# Altium PCB as_x31.PcbDoc (part 4 of 5)
Units mm, origin at the board's own origin, x right, y up, seen from the top; angles counter-clockwise.
Board outline 130 x 100 mm, 6 copper layers (Top Layer, Ground_1, Power_1, Mid_1, Ground_2, Bottom Layer), stack 0.928 mm thick; 402 components, 373 nets, 2529 pads, 1429 vias.
Unrouted connection lines stored in the file: 648.
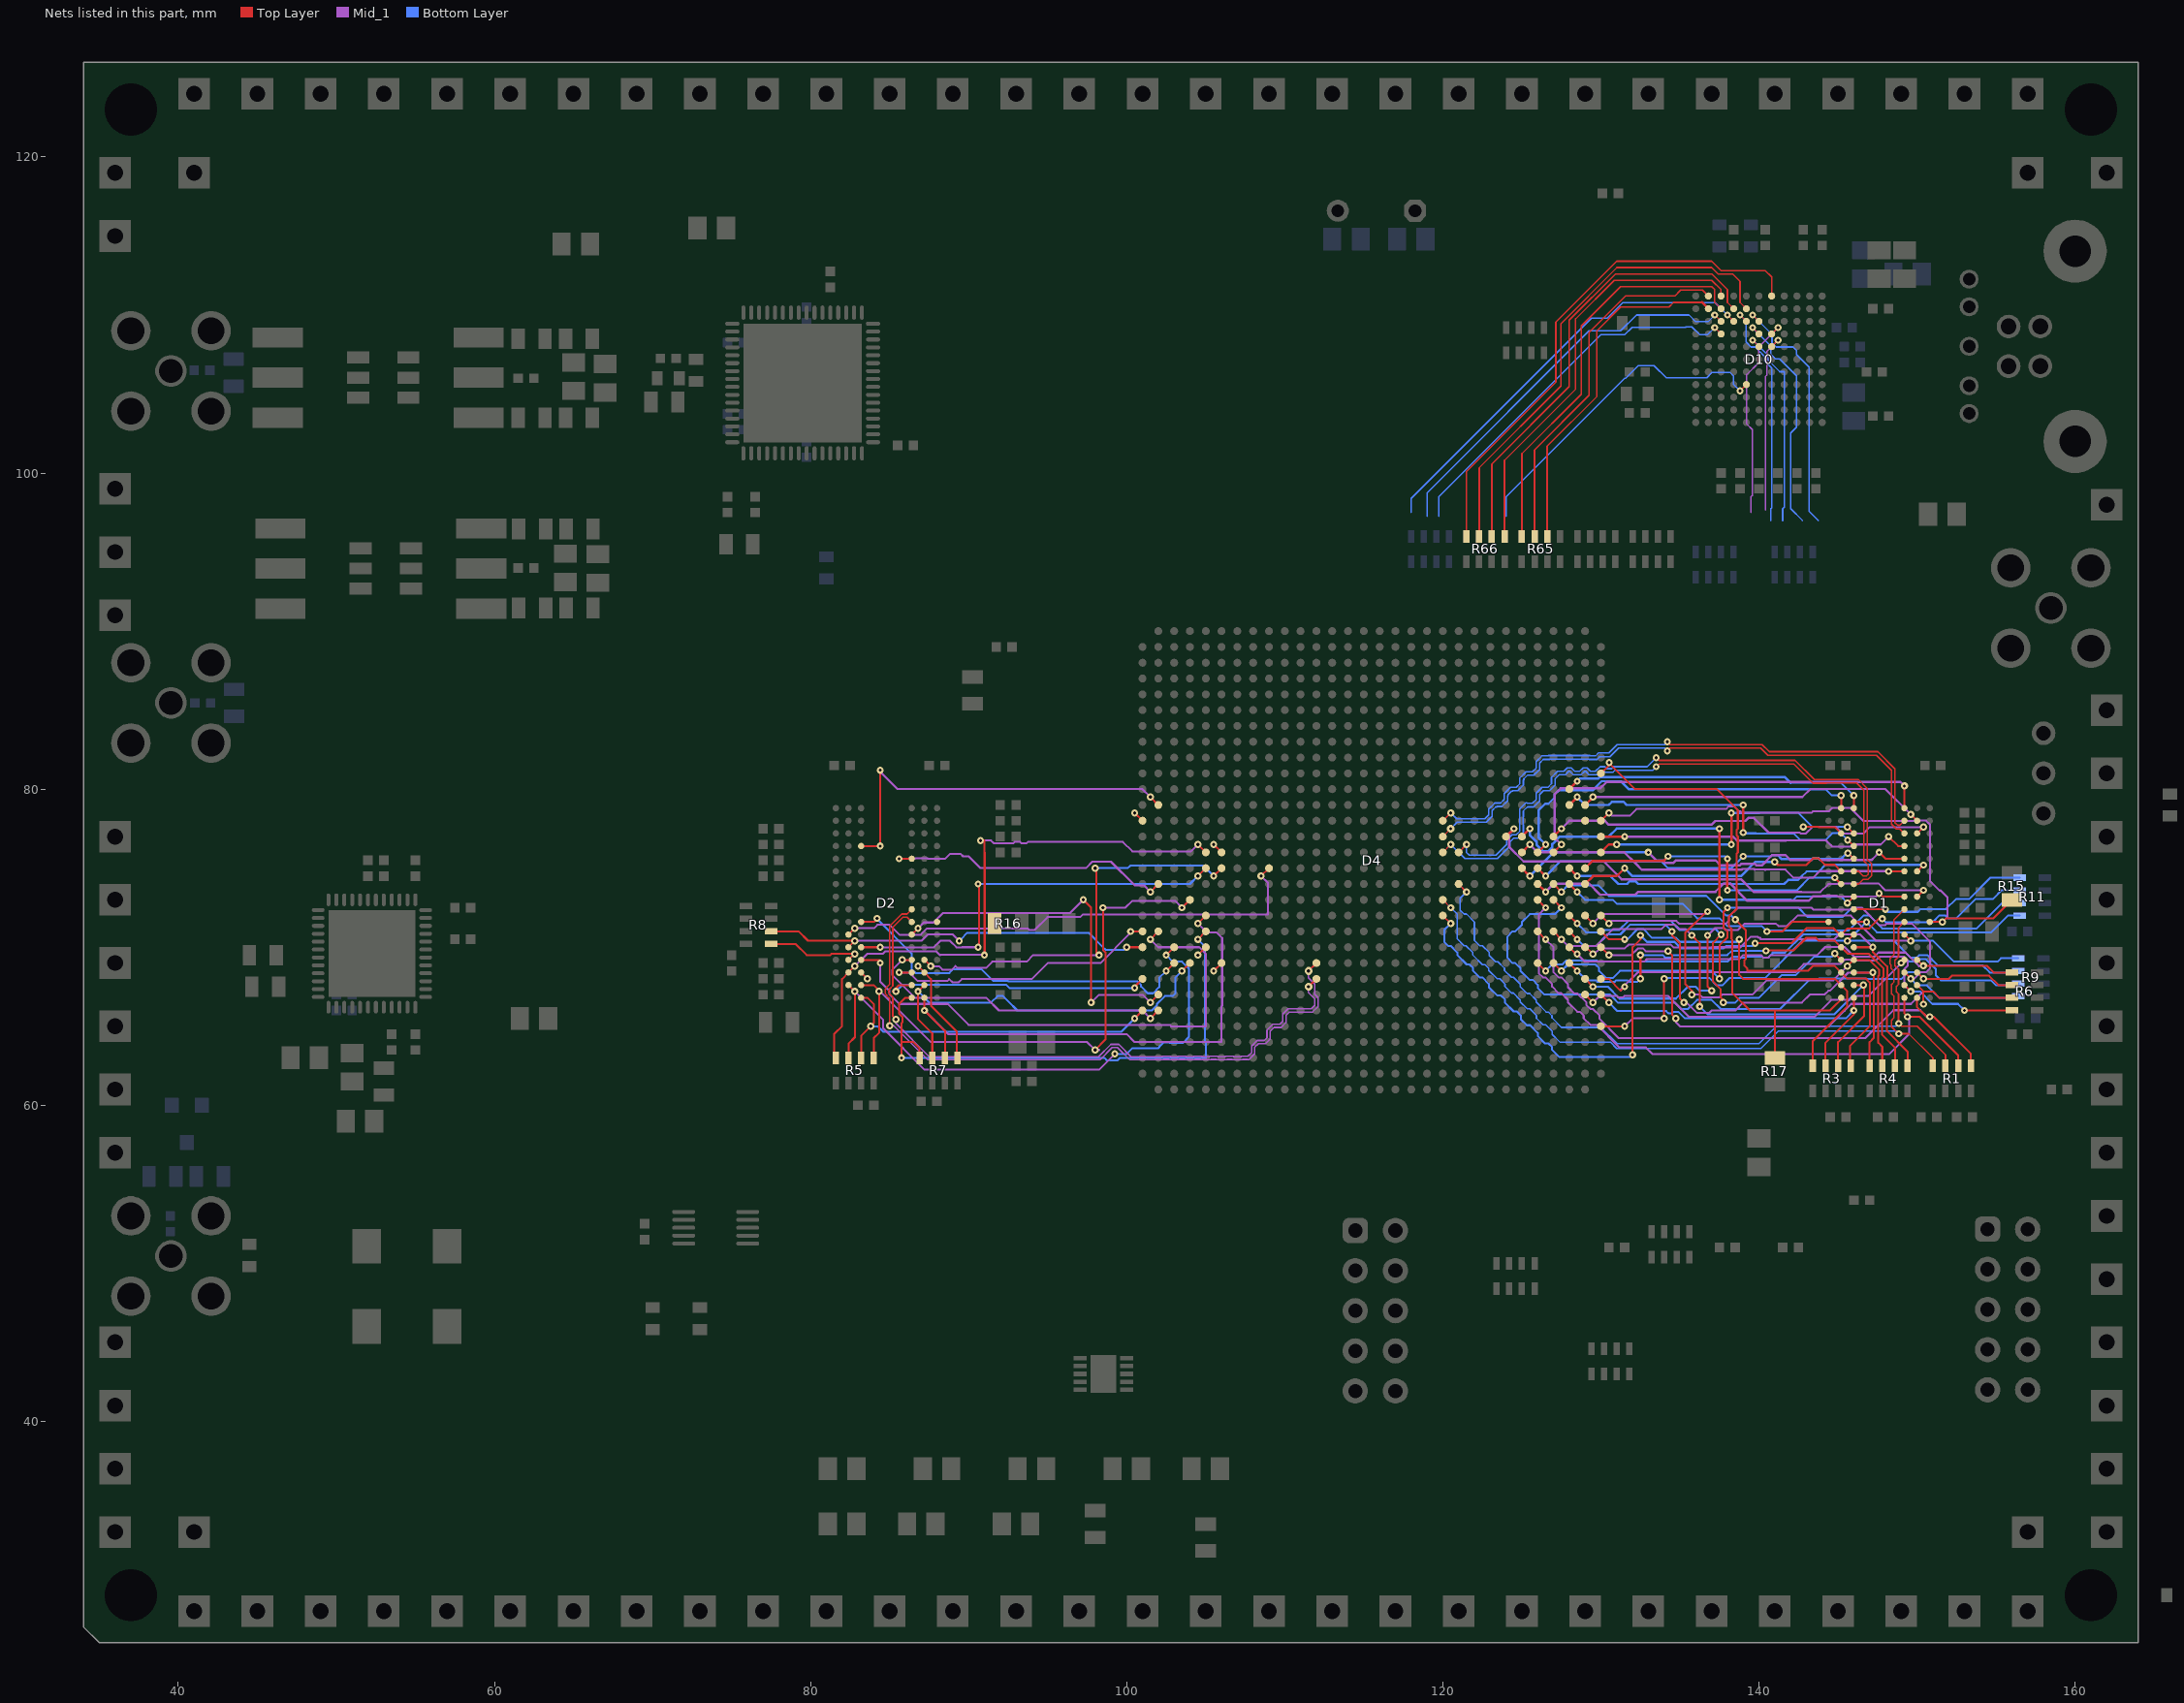
[diagram p7: the nets of this part, all layers, seen from the top]

## Via types
v1: diameter 0.45, hole 0.2, Top Layer to Bottom Layer, 1034 vias
v2: diameter 0.5, hole 0.2, Top Layer to Bottom Layer, 395 vias

## Nets (pads, with @x,y where several pads share a name; then routed paths per layer and width w, separated by ;. In a path a pad name is that pad's centre, name@x,y a point inside that pad or via, vN(x,y) a via of type N, cw(c..) or ccw(c..) an arc to the next point about the centre after c; other vN are vias at no path point) (continued)
D15: D10.G8 | length 21.3
  Top Layer w0.1: v1(138.8,105.2) D10.G8@139.2,105.6
  Bottom Layer w0.1: 124,97.25 124,98.5 131.5,106 131.566,106 132.366,106.8 133.366,106.8 134.141,106.025 136.695,106.025 137.045,106.375 138.155,106.375 138.375,106.155 138.375,105.625 v1(138.8,105.2)
D16: D10.K2 R65.6 | length 22.3
  Top Layer w0.1: R65.6@126.6,96 126.6,101.7 129.75,104.85 129.75,109 131.25,110.5 134.3,110.5 134.6,110.8 136.4,110.8
  Top Layer w0.15: 136.4,110.8 D10.K2@136.8,110.4
D17: D10.J4 | length 24.1
  Top Layer w0.1: v1(137.2,109.2) D10.J4@137.6,108.8
  Bottom Layer w0.1: 119.75,97.25 119.75,98.5 130,108.75 131.5,108.75 131.975,109.225 135.355,109.225 135.38,109.25 135.75,109.25 136.25,108.75 136.75,108.75 v1(137.2,109.2)
D18: D10.K1 R65.7 | length 23.1
  Top Layer w0.1: R65.7@125.8,96 125.8,101.466 129.25,104.916 129.25,108.9 131.55,111.2 134.67,111.2 135.045,111.575 136.425,111.575 D10.K1@136.8,111.2
D19: D10.J2 R65.8 | length 25.8
  Top Layer w0.1: R65.8@125,96 125,101.231 128.75,104.981 128.75,109.3 131.25,111.8 137,111.8 137.2,111.6 137.2,110.8 D10.J2@137.6,110.4
D20: D10.J3 | length 25.3
  Top Layer w0.1: v1(137.2,110) D10.J3@137.6,109.6
  Bottom Layer w0.1: 119,97.25 119,98.75 129.25,109 131.25,109 132.25,110 135.575,110 136,109.575 136.775,109.575 v1(137.2,110)
D21: D10.J1 R66.5 | length 26.5
  Top Layer w0.1: R66.5@123.9,96 123.9,100.803 128.4,105.303 128.4,109.75 130.85,112.2 137,112.2 137.6,111.6 D10.J1@137.6,111.2
D22: D10.H2 R66.6 | length 28.7
  Top Layer w0.1: R66.6@123.1,96 123.1,100.569 128,105.469 128,109.668 130.932,112.6 137,112.6 138,111.6 138,110.8 D10.H2@138.4,110.4
D23: D10.H3 | length 26.9
  Top Layer w0.1: v1(138,110) D10.H3@138.4,109.6
  Bottom Layer w0.1: 118,97.5 118,98.4 129.4,109.8 130.4,109.8 131.375,110.775 137.225,110.775 v1(138,110)
D24: D10.F4 | length 14.5
  Top Layer w0.1: v1(139.6,109.2) D10.F4@140,108.8
  Mid_1 w0.1: v1(139.6,109.2) v1@139.613,109.2
  Bottom Layer w0.1: v1(139.6,109.2) 139.6,109.187 140.75,108.037 140.75,107.52 141.045,107.225 141.305,107.225 142.375,106.155 142.375,102.905 142,102.53 142,97.75 142.75,97
D25: D10.G2 R66.7 | length 30.7
  Top Layer w0.1: R66.7@122.3,96 122.3,100.334 127.466,105.5 127.466,109.452 131.014,113 137,113 137.4,112.6 138.33,112.6 138.8,112.13 138.8,110.8 D10.G2@139.2,110.4
D26: D10.G3 | length 14.6
  Top Layer w0.1: v1(138.8,110) D10.G3@139.2,109.6
  Bottom Layer w0.1: v1(138.8,110) 139.175,109.625 139.175,108.295 139.495,107.975 139.755,107.975 140.35,107.38 140.35,107.097 140.8,106.647 140.8,97.8 140.75,97.75 140.75,97
D27: D10.F3 | length 15.9
  Top Layer w0.1: v1(139.6,110) D10.F3@140,109.6
  Bottom Layer w0.1: v1(139.6,110) 140.825,108.775 140.825,108.245 141.095,107.975 142.155,107.975 142.375,107.755 142.375,107.495 143.175,106.695 143.175,97.575 143.75,97
D28: D10.F5 | length 13
  Top Layer w0.1: v1(139.6,108.4) D10.F5@140,108
  Bottom Layer w0.1: v1(139.6,108.4) 139.613,108.4 140.55,107.463 140.55,107.18 141.317,106.413 141.6,106.413 141.6,97.85 141.5,97.75 141.5,97
D29: D10.E1 R66.8 | length 32.7
  Top Layer w0.1: R66.8@121.5,96 121.5,100.1 127.15,105.75 127.15,109.55 131,113.4 137,113.4 137.6,112.8 140.4,112.8 140.8,112.4 D10.E1@140.8,111.2
D30: D10.E5 | length 11.6
  Top Layer w0.1: D10.E5@140.8,108 v1(141.2,108.4)
  Mid_1 w0.1: 140.4,97.65 140.4,106.1 140.5,106.2 140.5,107.7 v1(141.2,108.4)
D31: D10.E4 | length 13.3
  Top Layer w0.1: D10.E4@140.8,108.8 v1(141.2,109.2)
  Mid_1 w0.1: 139.5,97.5 139.5,98.5 139.575,98.575 139.575,102.755 139.225,103.105 139.225,106.225 139.975,106.975 139.975,107.975 v1(141.2,109.2)
DDR0_A0: D1.N3 D4.AJ12 R4.7 | length 33.7
  Top Layer w0.125: D4.AJ12@129,72 v1(129.5,71.5) ; v1(135.75,67) 135.75,67.25 135.337,67.663 135.337,70.921 v1@136.667,72.25 ; v1@136.708,72.208 v1(136.75,72.25) ; v1(145.6,68.8) D1.N3@146,69.2 146.983,69.2 147.613,68.571 147.613,68.229 147.545,68.162 147.545,63.955 147.8,63.7 R4.7@147.8,62.5
  Mid_1 w0.125: v1(129.5,71.5) 130.088,72.087 136.587,72.087 v1(136.75,72.25) ; v1(135.75,67) 136.25,67 136.413,66.837 137.504,66.837 137.666,67 139.583,67 140.496,67.912 144.712,67.912 v1(145.6,68.8)
DDR0_A1: D1.P7 D4.AK12 R9.5 | length 33.9
  Top Layer w0.125: D4.AK12@130,72 v1(130.5,71.5) ; D1.P7@149.2,68.4 v1(149.6,68)
  Mid_1 w0.125: v1(130.5,71.5) 130.662,71.662 134.774,71.662 134.937,71.5 137.917,71.5 138.087,71.671 138.087,71.921 138.667,72.5 143.316,72.5 143.429,72.387 145.771,72.387 145.883,72.5 146.5,72.5 147.613,71.388 147.971,71.388 148.083,71.5 149.675,71.5 150.81,70.365 150.81,68.654 150.568,68.413 150.229,68.413 149.817,68 v1(149.6,68)
  Bottom Layer w0.125: v1(149.6,68) 150.013,67.588 150.629,67.588 151.429,66.788 156.287,66.788 R9.5@156.4,66.9
DDR0_A2: D1.P3 D4.AH11 R4.8 | length 33
  Top Layer w0.125: D4.AH11@128,71 v1(128.5,70.5) ; 134.5,70.75 v1(134.5,71) ; 134.5,70.75 135,70.25 135,66.75 v1(135.25,66.5) ; D1.P3@146,68.4 v1(147.2,68.4) 147.262,68.338 147.262,64.263 147,64 R4.8@147,62.5
  Mid_1 w0.125: v1(135.25,66.5) 135.417,66.5 136.079,65.838 136.838,65.838 137,66 138.5,66 139,66.5 142.717,66.5 143.229,67.013 144.159,67.013 144.396,67.25 144.5,67.25 145.638,68.388 147.188,68.388 v1(147.2,68.4)
  Bottom Layer w0.125: v1(128.5,70.5) 128.938,70.062 129.681,70.062 130.431,70.813 131.229,70.813 131.829,71.412 134.087,71.412 v1(134.5,71)
DDR0_A3: D1.N2 D4.AH12 | length 24.5
  Top Layer w0.125: D4.AH12@128,72 v1(128.5,71.5) ; v1(137.6,70.8) 137.087,70.287 137.087,67.829 137.587,67.329 137.587,66.813 137.75,66.65 v1(137.75,66.5) ; v1@144.813,69.588 v1(144.8,69.6) D1.N2@145.2,69.2
  Bottom Layer w0.125: v1(128.5,71.5) 129.063,70.937 130.084,70.937 130.234,71.087 131.151,71.087 131.725,71.662 134.421,71.662 134.995,71.087 135.504,71.087 135.579,71.163 137.238,71.163 v1(137.6,70.8) ; v1(137.75,66.5) 138.5,66.5 138.8,66.8 140,66.8 141.45,68.25 142.337,68.25 143.5,69.413 144.613,69.413 v1(144.8,69.6)
DDR0_A4: D1.P8 D4.AG13 R6.6 | length 42.3
  Top Layer w0.125: D4.AG13@127,73 v1(127.5,72.5) ; D1.P8@150,68.4 v1(150.4,68) 151.417,68 151.429,67.988 151.988,67.988 152.2,68.2 154.55,68.2 155.15,67.6 R6.6@156,67.6
  Bottom Layer w0.125: v1(127.5,72.5) 127.087,72.087 125.504,72.087 125,71.583 125,71.417 124.583,71 124.417,71 124.087,70.671 124.087,69.329 124.417,69 124.583,69 124.912,68.671 124.912,68.504 125.479,67.937 125.681,67.937 126,67.619 126,67.417 126.417,67 130.583,67 130.913,66.671 130.913,66.651 131.063,66.5 134.667,66.5 135.079,66.087 135.504,66.087 136.079,66.663 137.004,66.663 137.579,66.087 141.337,66.087 143.238,67.988 143.771,67.988 143.796,68.013 146.771,68.013 146.796,67.988 149.004,67.988 149.429,68.413 149.988,68.413 v1(150.4,68)
DDR0_A5: D1.P2 D4.AG14 R3.5 | length 30.4
  Top Layer w0.125: D4.AG14@127,74 v1(127.5,73.5) ; v1(138.5,71.75) 139.162,71.087 139.162,69.246 139.088,69.171 139.088,68.829 139.25,68.667 139.25,68.512 143.1,68.512 143.4,68.813 144.788,68.813 D1.P2@145.2,68.4 145.588,68.013 146.771,68.013 147.013,67.771 147.013,65.013 145.75,63.75 R3.5@145.75,62.55
  Bottom Layer w0.125: v1(127.5,73.5) 127.913,73.913 129.837,73.913 130.5,73.25 136.667,73.25 137.917,72 138.25,72 v1(138.5,71.75)
DDR0_A6: D1.R8 D4.AK10 R6.7 | length 34.7
  Top Layer w0.125: D4.AK10@130,70 v1(130.5,69.5) ; v1(134.25,69.75) 134.5,69.5 134.5,65.75 ; v1(134.74,65.49) v1@134.75,65.5 ; D1.R8@150,67.6 150.4,67.2 ; v1(150.4,66.4) 150.4,67.2 ; R6.7@156,66.8 155.987,66.788 151.429,66.788 151.017,67.2 150.4,67.2 ; 134.5,65.75 v1@134.75,65.5 ; 134.5,65.75 v1@134.75,65.5 ; 134.5,65.75 v1@134.75,65.5
  Mid_1 w0.125: v1(130.5,69.5) 131.917,69.5 132.329,69.912 132.671,69.912 132.833,69.75 v1(134.25,69.75) ; v1(134.74,65.49) 134.74,65.26 135,65 144.437,65 145.413,65.976 145.413,65.996 145.829,66.413 149.613,66.413 150.4,67.2 v1(150.4,66.4)
DDR0_A7: D1.R2 D4.AK11 R3.8 | length 24.8
  Top Layer w0.125: D4.AK11@130,71 130.5,70.5 v1(131.5,70.5) ; v1(138.75,70.5) 138.75,68.25 139,68 142.238,68 142.25,67.988 143.771,67.988 143.783,68 144.8,68 D1.R2@145.2,67.6 145.588,67.213 145.588,66.25 143.4,64.063 R3.8@143.4,62.5
  Bottom Layer w0.125: v1(131.5,70.5) 131.666,70.5 132.329,71.162 132.671,71.162 133.246,70.587 134.766,70.587 135.016,70.337 138.587,70.337 v1(138.75,70.5)
DDR0_A8: D1.T8 D4.AF11 R1.5 | length 35.7
  Top Layer w0.125: D4.AF11@126,71 v1(126.5,70.5) ; D1.T8@150,66.8 149.987,66.787 149.987,66.229 150.616,65.6 v1(150.8,65.6) 151.05,65.6 153.4,63.25 R1.5@153.4,62.5
  Mid_1 w0.125: v1(126.5,70.5) 127,70 127,68.417 127.329,68.087 127.496,68.087 127.913,67.671 127.913,67.469 128.319,67.063 128.521,67.063 129.087,66.496 129.087,66.329 129.329,66.087 129.496,66.087 129.913,65.671 129.913,65.469 131.131,64.25 146.737,64.25 148.5,66.013 150.204,66.013 150.616,65.6 v1(150.8,65.6)
DDR0_A9: D1.R3 D4.AG11 R3.6 | length 32.4
  Top Layer w0.125: D4.AG11@127,71 v1(127.5,70.5) ; v1(135.75,70.75) 136.25,70.25 v1(136.25,66.25) ; R3.6@145,62.5 145,64 146.662,65.663 146.662,67.537 v1(146.6,67.6) D1.R3@146,67.6
  Mid_1 w0.125: v1(127.5,70.5) 127.938,70.062 129.681,70.062 130.781,71.162 133.838,71.162 134.088,71.412 134.671,71.412 134.921,71.162 135.338,71.162 v1(135.75,70.75)
  Bottom Layer w0.125: v1(136.25,66.25) 136.75,65.75 144.75,65.75 v1(146.6,67.6)
DDR0_A10: D1.L7 D4.AJ8 R9.8 | length 34.8
  Top Layer w0.125: D4.AJ8@129,68 v1(129.5,67.5) ; v1(136.75,70.75) 136.75,67.5 v1(137,67.25) ; D1.L7@149.2,70.8 v1(149.6,70.4)
  Mid_1 w0.125: v1(136.75,70.75) 137.213,71.213 137.771,71.213 137.896,71.087 138.671,71.087 139.083,71.5 141.063,71.5 141.226,71.337 141.774,71.337 142.437,72 145.817,72 147.404,70.413 149.587,70.413 v1(149.6,70.4)
  Bottom Layer w0.125: v1(129.5,67.5) 130.437,67.5 131.163,66.774 131.163,66.754 131.167,66.75 134.75,66.75 135.5,67.5 136,67.5 136.25,67.25 v1(137,67.25) ; v1(149.6,70.4) 151.017,70.4 152.329,69.087 155.087,69.087 155.3,69.3 R9.8@156.4,69.3
DDR0_A11: D1.R7 D4.AK8 R6.8 | length 34.3
  Top Layer w0.125: D4.AK8@130,68 130.5,68 131.25,67.25 v1(131.5,67.5) ; D1.R7@149.2,67.6 v1(149.6,67.2) ; v1(153,66) R6.8@156,66
  Mid_1 w0.125: v1(131.5,67.5) 131.25,67.25 131.25,67.333 ; v1(149.6,67.2) 149.188,67.613 149.188,68.604 149.412,68.829 149.412,69.171 149.171,69.412 147.662,69.412 147.412,69.162 145.821,69.162 145.771,69.213 145.429,69.213 145.154,68.938 142.824,68.938 142.299,68.413 132.329,68.413 ; 131.25,67.333 132.329,68.413 ; 131.25,67.333 132.329,68.413 ; 131.25,67.333 132.329,68.413
  Bottom Layer w0.125: v1(149.6,67.2) 150.183,67.2 150.97,66.413 152.588,66.413 v1(153,66)
DDR0_A12: D1.N7 D4.AJ7 R9.6 | length 31
  Top Layer w0.125: D4.AJ7@129,67 v1(129.5,66.5)
  Mid_1 w0.125: v1(129.5,66.5) 129.917,66.917 131,66.917 131.079,66.838 131.421,66.838 131.5,66.917 134.25,66.917 135.579,65.587 143.504,65.587 144.579,66.663 145.746,66.663 146.013,66.929 146.929,66.929 v1(149,69)
  Bottom Layer w0.125: v1(149,69) 149.237,69.238 149.345,69.238 149.486,69.097 150.086,69.097 150.226,69.238 150.568,69.238 151.187,68.618 151.187,68.229 151.504,67.912 154.671,67.912 154.983,67.6 156.3,67.6 R9.6@156.4,67.7
DDR0_A13: D1.T3 D4.AK7 R3.7 | length 21.9
  Top Layer w0.125: D4.AK7@130,67 v1(130.5,66.5) ; R3.7@144.2,62.5 144.2,63.95 146,65.75 v1(146,66) D1.T3@146,66.8
  Bottom Layer w0.125: v1(130.5,66.5) 131.042,65.958 134.125,65.958 134.271,65.812 134.479,65.812 134.569,65.902 134.911,65.902 135.313,65.5 145.5,65.5 v1(146,66)
DDR0_A14: D1.T7 D4.AF13 R1.6 | length 38.7
  Top Layer w0.125: D4.AF13@126,73 v1(126.5,72.5) ; D1.T7@149.2,66.8 149.2,65.8 v1(149.4,65.6) 150.15,65.6 152.6,63.15 R1.6@152.6,62.5
  Mid_1 w0.125: v1(126.5,72.5) 126.063,72.063 126.063,68.354 126.329,68.087 126.496,68.087 126.913,67.671 126.913,67.504 127.329,67.087 127.496,67.087 127.913,66.671 127.913,66.504 128.504,65.912 128.671,65.912 128.913,65.671 128.913,65.504 129.329,65.087 129.738,65.087 131.163,63.663 132.837,63.663 133.25,63.25 148.25,63.25 149.5,64.5 149.5,65.5 v1(149.4,65.6)
DDR0_BA0: D1.M2 D4.AH9 R4.6 | length 33.6
  Top Layer w0.125: D4.AH9@128,69 v1(128.5,68.5) ; v1(132.5,68) v1(132.5,69.5) ; v1(140.433,69.767) v1@140.4,69.8 ; R4.6@148.6,62.5 148.6,63.65 147.795,64.455 147.795,68.058 147.862,68.126 147.862,68.674 146.949,69.588 145.613,69.588 D1.M2@145.2,70 144.8,70.4 143.783,70.4 143.6,70.583 143.017,70.583 143,70.6 142.2,69.8 ; v1@140.4,69.8 142.2,69.8 ; v1@140.4,69.8 142.2,69.8 ; v1@140.4,69.8 142.2,69.8
  Bottom Layer w0.125: v1(128.5,68.5) 129.087,67.912 129.671,67.912 129.771,67.812 130.876,67.812 130.976,67.912 131.67,67.912 131.77,67.812 132.312,67.812 v1(132.5,68) ; v1(132.5,69.5) 133.917,69.5 134.079,69.337 134.421,69.337 134.583,69.5 138,69.5 138.267,69.767 v1(140.433,69.767)
DDR0_BA1: D1.N8 D4.AH10 R6.5 | length 33.6
  Top Layer w0.125: v1(128.5,69.575) v1@128.5,69.5 ; v1(150.397,68.825) 150.41,68.813 151.429,68.813 154.437,68.813 154.85,68.4 R6.5@156,68.4 ; D4.AH10@128,70 v1@128.5,69.5 ; D4.AH10@128,70 v1@128.5,69.5 ; D4.AH10@128,70 v1@128.5,69.5 ; D1.N8@150,69.2 v1@150.397,68.803 ; D1.N8@150,69.2 v1@150.397,68.803 ; D1.N8@150,69.2 v1@150.397,68.803
  Mid_1 w0.125: v1(128.5,69.575) 128.987,69.087 132.75,69.087 132.913,69.25 138.75,69.25 139,69.5 140.117,69.5 140.262,69.354 140.604,69.354 140.75,69.5 143.683,69.5 144.196,70.013 145.404,70.013 146.004,69.412 147.309,69.412 147.559,69.662 149.274,69.662 150.111,68.825 ; v1(150.397,68.825) 150.397,68.803 v1@150.4,68.8 ; 150.111,68.8 v1@150.4,68.8 ; 150.111,68.8 v1@150.4,68.8 ; 150.111,68.8 v1@150.4,68.8
DDR0_BA2: D1.M3 D4.AJ10 R4.5 | length 30.3
  Top Layer w0.125: D4.AJ10@129.075,70 v1(129.5,69.575) ; D1.M3@146,70 v1(147.2,70) 147.2,69.69 148.113,68.778 148.113,68.022 148.1,68.01 148.1,64.692 149.4,63.392 R4.5@149.4,62.5
  Mid_1 w0.125: v1(129.5,69.575) v1@129.5,69.5 ; 137,69.988 134.596,69.988 134.421,70.163 132.774,70.163 131.746,70.163 131.496,69.912 129.913,69.912 ; 137.013,70 138.833,70 139.496,70.662 139.921,70.662 139.995,70.588 140.083,70.588 ; 140.083,70.5 144.75,70.5 145.063,70.813 146.388,70.813 v1(147.2,70) ; v1@129.5,69.5 129.913,69.912 ; v1@129.5,69.5 129.913,69.912 ; v1@129.5,69.5 129.913,69.912
DDR0_CAS: D1.K3 D4.AF9 R11.5 | length 33.7
  Top Layer w0.125: D4.AF9@126,69 v1@126.5,68.5 ; D1.K3@146,71.6 v1(146.8,71.6)
  Bottom Layer w0.125: v1(126.5,68.5) 126.913,68.912 127.559,68.912 127.809,69.163 129.254,69.163 129.746,69.162 129.749,69.163 129.824,69.087 138.004,69.087 138.329,69.413 138.671,69.413 138.73,69.354 139.144,69.354 139.203,69.413 140.204,69.413 140.262,69.354 140.604,69.354 140.846,69.596 140.846,69.662 141.646,69.662 142.796,70.813 146.013,70.813 v1(146.8,71.6) 147.463,70.937 154.687,70.937 155.75,72 R11.5@156.5,72
DDR0_CK_N: D1.K7 D4.AA14 R1.7 | length 46.3
  Top Layer w0.1: D4.AA14@121,74 v1(121.5,73.5) ; D1.K7@149.2,71.6 148.825,71.225 148.825,69.391 148.6,69.166 148.6,68.834 148.825,68.609 148.825,67.657 148.683,67.516 148.683,67.184 148.825,67.043 148.825,65.2 v1(148.85,65.175) 149.025,65 150,65 151.8,63.2 R1.7@151.8,62.5
  Bottom Layer w0.1: v1(121.5,73.5) 121.1,73.1 121.1,72.334 121.334,72.1 121.501,72.1 122,71.601 122,70.434 122.334,70.1 122.501,70.1 122.925,69.676 122.925,69.474 123.324,69.075 123.491,69.075 123.9,68.666 123.9,68.534 124.334,68.1 124.466,68.1 124.9,67.666 124.9,67.499 125.324,67.075 125.491,67.075 125.9,66.666 125.9,66.534 126.534,65.9 126.666,65.9 126.9,65.666 126.9,65.534 127.509,64.925 129.994,64.925 131.019,63.9 140,63.9 141.1,65 148.675,65 v1(148.85,65.175)
DDR0_CK_P: D1.J7 D4.Y13 R1.8 | length 46.8
  Top Layer w0.1: D4.Y13@120,73 v1(120.5,72.5) ; D1.J7@149.2,72.4 148.525,71.725 148.525,69.515 148.3,69.29 148.3,68.927 148.35,68.876 148.35,68.66 148.525,68.485 148.525,67.782 148.383,67.64 148.383,67.06 148.525,66.918 148.525,65.522 148.375,65.372 148.375,64.978 148.828,64.525 v1(148.85,64.525) 149.475,64.525 151,63 R1.8@151,62.5
  Bottom Layer w0.1: v1(120.5,72.5) 120.9,72.1 120.9,70.534 121.334,70.1 121.466,70.1 121.9,69.666 121.9,69.499 122.499,68.9 122.666,68.9 122.9,68.666 122.9,68.534 123.434,68 123.601,68 123.925,67.676 123.925,67.509 124.334,67.1 124.466,67.1 124.9,66.666 124.9,66.534 125.334,66.1 125.501,66.1 125.925,65.676 125.925,65.509 126.334,65.1 126.501,65.1 126.925,64.676 126.925,64.474 127.399,64 130.601,64 131.001,63.6 140.124,63.6 141.224,64.7 148.675,64.7 v1(148.85,64.525)
DDR0_CKE: D1.K9 D4.AK18 R15.2 | length 34.6
  Top Layer w0.125: D4.AK18@130,78 v1(130.5,78.5) ; D1.K9@150.8,71.6 v1(151.6,71.6) 151.837,71.837 154.838,71.837 R15.2@156,73
  Mid_1 w0.125: v1(130.5,78.5) 130.688,78.312 131.812,78.312 132.25,78.75 137.917,78.75 138.079,78.913 138.421,78.913 138.746,78.587 138.833,78.587 ; 138.833,78.5 138.846,78.513 142.109,78.513 142.121,78.5 143.317,78.5 143.429,78.612 144.429,78.612 144.629,78.812 145.771,78.812 146.596,77.987 149.771,77.987 149.796,78.012 150.571,78.012 150.812,77.771 150.812,74.204 151.429,73.588 151.495,73.588 151.912,73.171 151.912,71.912 v1(151.6,71.6)
DDR0_CS: D1.L2 D4.Y12 R11.7 | length 52.1
  Top Layer w0.125: D4.Y12@120,72 v1(120.5,71.5) ; v1(132,63.2) 132,70 132.5,70.5 v1(132.5,70.75) ; v1(139.75,70.25) 142.05,70.25 143,71.2 144.716,71.2 145.116,70.8 D1.L2@145.2,70.8 145.588,71.188 146.971,71.188 147.583,71.8 v1(147.8,71.8)
  Bottom Layer w0.125: v1(120.5,71.5) 120.087,71.087 120.087,70.329 120.329,70.087 120.496,70.087 120.912,69.671 120.912,69.504 121.504,68.912 121.671,68.912 121.912,68.671 121.912,68.504 122.329,68.087 122.496,68.087 122.912,67.671 122.912,67.469 123.444,66.937 123.681,66.937 123.937,66.681 123.937,66.479 124.479,65.937 124.681,65.937 124.937,65.681 124.937,65.444 125.319,65.063 125.521,65.063 126,64.583 126,64.381 126.469,63.912 126.671,63.912 126.913,63.671 126.913,63.504 127.354,63.063 131.862,63.063 v1(132,63.2) ; v1(132.5,70.75) 132.912,70.337 134.663,70.337 135.088,69.912 137.75,69.912 137.925,70.087 139.587,70.087 v1(139.75,70.25) ; v1(147.8,71.8) 148.013,71.588 151.004,71.588 151.429,72.013 151.771,72.013 151.946,71.837 152.5,71.837 153.725,73.063 154.813,73.063 155.35,73.6 R11.7@156.5,73.6
DDR0_DM0: D1.E7 D4.AE15 | length 26.4
  Top Layer w0.125: v1(147.6,76) 148,75.6 D1.E7@149.2,75.6
  Top Layer w0.15: D4.AE15@125,75 v1(125.5,74.5)
  Mid_1 w0.125: 147.175,75.575 v1(147.6,76)
  Mid_1 w0.15: v1(133,76) 133.5,75.5 133.899,75.5 134.074,75.325 134.575,75.325 134.75,75.5 137.25,75.5 137.575,75.175 138.786,75.175 138.886,75.275 139.75,75.275 139.85,75.175 140.174,75.175 140.824,75.825 141.675,75.825 141.975,75.525 143.324,75.525 143.424,75.625 143.776,75.625 143.876,75.525 147.125,75.525 147.175,75.575
  Bottom Layer w0.15: v1(125.5,74.5) 127,76 v1(133,76)
DDR0_DM1: D1.D3 D4.AH19 | length 22.8
  Top Layer w0.125: v1(145.603,76.775) v1@145.603,76.797 ; v1@145.603,76.797 v1@145.614,76.786 ; v1@145.603,76.797 v1@145.614,76.786 ; v1@145.603,76.797 D1.D3@146,76.4 ; v1@145.603,76.797 v1@145.614,76.786 ; v1@145.614,76.786 D1.D3@146,76.4 ; v1@145.614,76.786 D1.D3@146,76.4 ; v1@145.614,76.786 D1.D3@146,76.4
  Top Layer w0.15: D4.AH19@128,79 v1(128.5,79.5) ; v1(139,77.25) v1(139,79)
  Bottom Layer w0.125: 139.8,77.2 142.2,77.2 142.613,76.788 144.204,76.788 144.629,77.212 145.188,77.212 145.603,76.797 v1(145.603,76.775)
  Bottom Layer w0.15: v1(128.5,79.5) 129,79 130.5,79 130.7,79.2 131.436,79.2 131.636,79 v1(139,79) ; v1(139,77.25) 139.05,77.2 139.8,77.2
DDR0_DQ0: D1.E3 D4.AF15 | length 23.2
  Top Layer w0.125: v1(145.628,75.95) v1@145.628,75.972 ; v1@145.628,75.972 D1.E3@146,75.6 ; v1@145.628,75.972 D1.E3@146,75.6 ; v1@145.628,75.972 D1.E3@146,75.6
  Top Layer w0.15: D4.AF15@126,75 v1(126.5,74.5)
  Bottom Layer w0.125: v1(145.628,75.95) 145.628,75.972 v1@145.6,76 ; v1@145.437,75.837 v1@145.6,76 ; v1@145.437,75.837 v1@145.6,76 ; v1@145.437,75.837 v1@145.6,76
  Bottom Layer w0.15: v1(126.5,74.5) 127.425,75.425 133.825,75.425 134.25,75 138.25,75 v1(139,75.75) 140.749,75.75 140.824,75.825 141.176,75.825 141.426,75.575 143.374,75.575 143.424,75.625 143.776,75.625 143.826,75.575 145.175,75.575 v1@145.437,75.837
DDR0_DQ1: D1.F7 D4.AE16 | length 25.5
  Top Layer w0.125: v1(148.2,74.8) D1.F7@149.2,74.8
  Top Layer w0.15: D4.AE16@125,76 v1(125.5,76.5)
  Mid_1 w0.125: 139.724,74.912 140.362,74.912 ; 140.413,74.913 141.671,74.913 142.196,74.388 143.404,74.388 143.829,74.812 148.188,74.812 v1(148.2,74.8)
  Mid_1 w0.15: v1(125.5,76.5) 126,76 131.49,76 132.2,75.29 132.59,74.9 138.9,74.9 138.95,74.95 139.686,74.95 139.724,74.912 ; 140.362,74.913 140.413,74.913
DDR0_DQ2: D1.F2 D4.AJ14 | length 17.8
  Top Layer w0.125: 141.2,75.2 143,75.2 143.412,75.612 143.771,75.612 144.17,75.212 144.788,75.212 D1.F2@145.2,74.8
  Top Layer w0.15: D4.AJ14@129,74 129.5,74.5 131,74.5 v1@131.5,75 ; v1(141,75.4) 141.2,75.2
  Bottom Layer w0.15: v1(131.5,75) 132,74.5 138.864,74.5 139.764,75.4 v1(141,75.4)
DDR0_DQ3: D1.F8 D4.AH15 | length 24.1
  Top Layer w0.125: D1.F8@150,74.8 v1(150.4,75.2)
  Top Layer w0.15: D4.AH15@128,75 v1(128.5,74.5)
  Bottom Layer w0.125: 142.717,74.5 143.004,74.787 143.771,74.787 144.196,75.212 150.388,75.212 v1(150.4,75.2)
  Bottom Layer w0.15: v1(128.5,74.5) 130.601,74.5 131.101,74 131.649,74 131.824,74.175 132.176,74.175 132.351,74 137.799,74 137.824,74.025 138.176,74.025 138.201,74 141.601,74 141.864,74.262 142.479,74.262 142.717,74.5
DDR0_DQ4: D1.H3 D4.AE17 | length 27.8
  Top Layer w0.125: v1(145.6,72.8) D1.H3@146,73.2
  Top Layer w0.15: D4.AE17@125,77 v1(125.5,77.5) ; v1(137.5,73) v1(137.5,77.5)
  Bottom Layer w0.125: 142,73 142.2,73 142.413,73.213 145.187,73.213 v1(145.6,72.8)
  Bottom Layer w0.15: v1(125.5,77.5) 125.5,77.101 125.925,76.676 125.925,76.474 126.324,76.075 126.676,76.075 126.925,76.324 126.925,76.526 127.399,77 130.5,77 131,77.5 v1(137.5,77.5) ; v1(137.5,73) 142,73
DDR0_DQ5: D1.H8 D4.AD17 | length 30.3
  Top Layer w0.125: D1.H8@150,73.2 v1(150.4,73.6)
  Top Layer w0.15: D4.AD17@124,77 v1(124.5,77.5)
  Mid_1 w0.125: 142.687,73.487 143.887,73.487 144.388,73.988 144.971,73.988 145.021,74.037 147.546,74.037 147.983,73.6 v1(150.4,73.6)
  Mid_1 w0.15: v1(124.5,77.5) 124.2,77.2 124.2,76.337 125.112,75.425 130.175,75.425 131.3,74.3 138.865,74.3 139.677,73.487 142.687,73.487
DDR0_DQ6: D1.G2 D4.AJ15 | length 19.1
  Top Layer w0.125: v1(144.8,74.4) D1.G2@145.2,74
  Top Layer w0.15: D4.AJ15@129,75 129.45,75.45 133.95,75.45 v1(134.25,75.75) ; v1(138,73.6) v1(138,75.6)
  Bottom Layer w0.125: v1(138,73.6) 142.4,73.6 143.212,74.412 143.771,74.412 143.795,74.388 144.788,74.388 v1(144.8,74.4)
  Bottom Layer w0.15: v1(134.25,75.75) 137.85,75.75 v1(138,75.6)
DDR0_DQ7: D1.H7 D4.AF14 | length 25
  Top Layer w0.125: v1(147.6,73.4) 147.8,73.2 D1.H7@149.2,73.2
  Top Layer w0.15: D4.AF14@126,74 v1(126.5,73.5)
  Mid_1 w0.125: 144.933,73.25 144.971,73.213 145.771,73.213 147.413,73.213 v1(147.6,73.4)
  Mid_1 w0.15: v1(126.5,73.5) 127.025,74.025 129.25,74.025 129.95,73.325 132.176,73.325 132.351,73.5 137.25,73.5 137.25,73.525 137.75,74.025 138.176,74.025 139.264,72.938 143.136,72.938 143.424,73.225 143.996,73.225 144.021,73.25 144.933,73.25
DDR0_DQ8: D1.D7 D4.AK17 | length 20
  Top Layer w0.125: v1(148.2,77) 148.8,76.4 D1.D7@149.2,76.4
  Top Layer w0.15: D4.AK17@130,77 v1(131.5,77)
  Mid_1 w0.125: 141.686,76.75 144.244,76.75 ; 144.332,76.662 144.632,76.363 145.774,76.363 145.911,76.5 147.7,76.5 v1(148.2,77)
  Mid_1 w0.15: v1(131.5,77) 138.351,77 138.601,76.75 141.686,76.75 ; 144.244,76.75 144.332,76.662
DDR0_DQ9: D1.C3 D4.AK16 | length 18.7
  Top Layer w0.125: v1(145.6,77.6) D1.C3@146,77.2
  Top Layer w0.15: D4.AK16@130,76 130.5,76.5 v1(131,76.5) ; v1(138.25,76.5) v1(138.25,78.5)
  Bottom Layer w0.125: 140,78.5 142.5,78.5 143.388,77.612 145.588,77.612 v1(145.6,77.6)
  Bottom Layer w0.15: v1(131,76.5) v1(138.25,76.5) ; v1(138.25,78.5) 140,78.5
DDR0_DQ10: D1.C8 D4.AG17 | length 25.6
  Top Layer w0.125: D1.C8@150,77.2 v1(150.4,77.6)
  Top Layer w0.15: D4.AG17@127,77 v1(127.5,77.5)
  Mid_1 w0.125: 140.601,77.25 142.579,77.25 142.629,77.2 142.971,77.2 143.383,77.612 144.887,77.612 145.312,77.188 146.599,77.188 147.011,77.6 v1(150.4,77.6)
  Mid_1 w0.15: v1(127.5,77.5) 128,78 130.25,78 130.5,77.75 137,77.75 137.238,77.987 139.136,77.987 139.324,78.175 139.676,78.175 140.601,77.25
DDR0_DQ11: D1.C2 D4.AJ18 | length 2.6
  Top Layer w0.125: v1(142.8,77.612) 143.771,77.612 143.783,77.6 144.8,77.6 D1.C2@145.2,77.2
DDR0_DQ12: D1.A7 D4.AG16 | length 28
  Top Layer w0.125: D1.A7@149.2,78.8 v1(149.2,80.2)
  Top Layer w0.15: D4.AG16@127,76 v1(127.5,76.5)
  Mid_1 w0.125: 148.95,80.45 v1(149.2,80.2)
  Mid_1 w0.15: v1(127.5,76.5) 127.075,76.925 127.075,79.676 127.449,80.05 129.95,80.05 130.35,80.45 148.95,80.45
DDR0_DQ13: D1.A2 D4.AF16 | length 24.3
  Top Layer w0.125: D1.A2@145.2,78.8 v1(145.2,79.6)
  Top Layer w0.15: D4.AF16@126,76 v1(126.5,76.5)
  Bottom Layer w0.125: 144.2,80 144.6,79.6 v1(145.2,79.6)
  Bottom Layer w0.15: v1(126.5,76.5) 126.05,76.95 126.05,78.651 126.474,79.075 126.676,79.075 127.075,79.474 127.075,79.676 127.324,79.925 129.474,79.925 130.049,80.5 131.25,80.5 131.75,80 144.2,80
DDR0_DQ14: D1.B8 D4.AJ19 | length 22.3
  Top Layer w0.125: v1(149.6,78.4) D1.B8@150,78
  Top Layer w0.15: D4.AJ19@129,79 v1(129.5,79.5)
  Mid_1 w0.125: 142.75,79.5 143.263,80.012 147.988,80.012 v1(149.6,78.4)
  Mid_1 w0.15: v1(129.5,79.5) 142.75,79.5
DDR0_DQ15: D1.A3 D4.AH20 | length 19.6
  Top Layer w0.125: D1.A3@146,78.8 v1(146,79.6)
  Top Layer w0.15: D4.AH20@128,80 v1(128.5,80.5)
  Bottom Layer w0.125: 142,80.4 145.2,80.4 v1(146,79.6)
  Bottom Layer w0.15: v1(128.5,80.5) 128.68,80.68 129.84,80.68 129.935,80.775 141.625,80.775 142,80.4
DDR0_DQS0_N: D1.G3 D4.AA16 | length 39
  Top Layer w0.1: D4.AA16@121,76 v1(121.5,76.5) ; v1(133.5,81.995) 133.675,81.82 142.28,81.82 143.5,80.6 144.166,80.6 144.186,80.62 146.28,80.62 146.856,80.044 146.856,75.556 147.12,75.291 147.12,74.519 146.891,74.29 146.59,74.29 146.3,74 D1.G3@146,74
  Bottom Layer w0.1: v1(121.5,76.5) 121.5,76 121.675,75.825 123.355,75.825 124.03,76.5 124.03,76.759 124.379,77.108 124.638,77.108 124.875,77.345 124.875,77.655 124.855,77.675 124.855,78.325 124.875,78.345 124.875,78.761 125.244,79.131 125.304,79.131 125.334,79.1 125.666,79.1 125.9,79.334 125.9,79.741 126.284,80.125 126.655,80.125 126.875,80.345 126.875,80.752 127.248,81.125 127.655,81.125 127.875,81.345 128.125,81.345 128.345,81.125 128.655,81.125 128.875,81.345 129.125,81.345 129.345,81.125 129.655,81.125 129.95,81.42 130.248,81.42 130.368,81.3 130.679,81.3 130.799,81.42 132.925,81.42 v1(133.5,81.995)
DDR0_DQS0_P: D1.F3 D4.Y16 | length 38.8
  Top Layer w0.1: D4.Y16@120,76 v1(120.5,76.5) ; v1(133.5,81.425) 133.675,81.6 142.189,81.6 143.409,80.38 144.257,80.38 144.277,80.4 146.171,80.4 146.636,79.936 146.636,75.464 146.9,75.2 146.9,74.61 146.8,74.51 146.59,74.51 146.3,74.8 D1.F3@146,74.8
  Bottom Layer w0.1: v1(120.5,76.5) 121.395,75.605 123.446,75.605 124.25,76.409 124.25,76.668 124.47,76.888 124.729,76.888 125.095,77.254 125.095,77.746 125.075,77.766 125.075,78.234 125.095,78.254 125.095,78.625 125.35,78.88 125.757,78.88 126.12,79.243 126.12,79.65 126.375,79.905 126.746,79.905 127.095,80.254 127.095,80.661 127.339,80.905 127.746,80.905 127.966,81.125 128.034,81.125 128.254,80.905 128.746,80.905 128.966,81.125 129.034,81.125 129.254,80.905 129.746,80.905 130.041,81.2 130.157,81.2 130.277,81.08 130.77,81.08 130.89,81.2 133.275,81.2 v1(133.5,81.425)
DDR0_DQS1_N: D1.B7 D4.Y18 | length 36.8
  Top Layer w0.1: D4.Y18@120,78 v1(120.5,78.5) ; v1(134.2,82.995) 134.375,82.82 140.2,82.82 140.65,82.37 147.521,82.37 148.6,81.291 148.6,77.885 148.775,77.71 148.91,77.71 D1.B7@149.2,78
  Bottom Layer w0.1: v1(120.5,78.5) 120.875,78.125 122.655,78.125 122.905,78.375 122.905,78.746 123.284,79.125 123.655,79.125 123.875,79.345 123.875,79.716 124.284,80.125 124.655,80.125 124.875,80.345 124.875,80.716 125.259,81.1 125.666,81.1 125.9,81.334 125.9,81.741 126.259,82.1 126.666,82.1 126.691,82.125 129.309,82.125 129.334,82.1 129.666,82.1 129.852,82.286 130.5,82.286 131.034,82.82 134.025,82.82 v1(134.2,82.995)
DDR0_DQS1_P: D1.C7 D4.Y17 | length 36.8
  Top Layer w0.1: D4.Y17@120,77 v2(120.5,77.5) ; v1(134.2,82.425) 134.375,82.6 140.109,82.6 140.559,82.15 147.43,82.15 148.38,81.2 148.38,77.794 148.684,77.49 148.91,77.49 D1.C7@149.2,77.2
  Bottom Layer w0.1: v2(120.5,77.5) 120.905,77.905 122.746,77.905 123.125,78.284 123.125,78.655 123.345,78.875 123.405,78.875 123.435,78.905 123.746,78.905 124.095,79.254 124.095,79.565 124.125,79.595 124.125,79.655 124.345,79.875 124.405,79.875 124.435,79.905 124.746,79.905 125.095,80.254 125.095,80.565 125.125,80.595 125.125,80.655 125.345,80.875 125.441,80.875 125.446,80.88 125.757,80.88 126.12,81.243 126.12,81.554 126.125,81.559 126.125,81.655 126.35,81.88 126.757,81.88 126.782,81.905 129.218,81.905 129.243,81.88 129.757,81.88 129.927,82.05 130.575,82.05 131.125,82.6 134.025,82.6 v1(134.2,82.425)
DDR0_ODT: D1.K1 D4.AH14 R11.6 | length 35.3
  Top Layer w0.125: D4.AH14@128,74 v1(128.5,73.5) ; v1(140.5,71) 141.5,71 142.1,71.6 142.8,71.6 D1.K1@144.4,71.6
  Bottom Layer w0.125: v1(128.5,73.5) 129,73 130.75,73 131,72.75 135.167,72.75 136.079,71.837 137.499,71.837 138,71.337 140.163,71.337 v1(140.5,71) 140.563,71.063 145.679,71.063 146.629,72.013 146.971,72.013 147.796,71.188 153.771,71.188 155.383,72.8 R11.6@156.5,72.8
DDR0_RAS: D1.J3 D4.AG9 R11.8 | length 39.7
  Top Layer w0.125: D4.AG9@127,69 v1(127.5,68.5) ; v1(137.5,68) 137.5,70.116 138.013,70.629 138.013,70.971 137.75,71.233 137.75,72.225 ; v1(138,72.5) v1@138.013,72.487 ; D1.J3@146,72.4 v1(148,72.4) ; 137.75,72.225 v1@138.013,72.487 ; 137.75,72.225 v1@138.013,72.487 ; 137.75,72.225 v1@138.013,72.487 ; 137.75,72.225 v1@138.013,72.487
  Bottom Layer w0.125: v1(127.5,68.5) 127.913,68.912 129.151,68.912 129.645,68.912 129.887,68.671 129.887,68.495 130.319,68.063 130.772,68.063 131.21,68.5 137,68.5 v1(137.5,68) ; v1(138,72.5) 142.5,72.5 143.088,71.912 145.296,71.912 145.783,72.4 v1(148,72.4) 148.163,72.237 150.054,72.237 150.229,72.413 151.829,72.413 152.479,73.063 153.313,73.063 154.65,74.4 R11.8@156.5,74.4
DDR0_RESET_N: D1.T2 D4.AK21 R17.2 | length 33
  Top Layer w0.125: D4.AK21@130,81 130.5,81.5 130.5,81.651 132.151,80 137.333,80 138.663,78.671 138.663,77.496 138.587,77.421 138.587,77.079 138.663,77.004 138.663,75.996 138.587,75.921 138.587,72.421 138.087,71.921 138.087,71.329 138.263,71.154 138.263,70.526 138.3,70.488 138.3,67.117 139.417,66 141,66 ; R17.2@141,63 141,66 ; D1.T2@145.2,66.8 145.2,66.7 144.75,66.25 144.5,66 141,66
  other v1: 130.524,81.675
DDR0_WE: D1.L3 D4.AK5 R9.7 | length 32
  Top Layer w0.125: D4.AK5@130,65 v1(131.5,65) ; v1(134,65.5) v1(134,68) ; v1(145.6,70.4) D1.L3@146,70.8
  Mid_1 w0.125: v1(131.5,65) 132,65.5 v1(134,65.5)
  Bottom Layer w0.125: v1(134,68) 134.042,68.042 136.875,68.042 137.329,67.587 137.671,67.587 138.125,68.042 140.379,68.042 142.75,70.413 145.588,70.413 v1(145.6,70.4) 145.613,70.413 148.524,70.413 149.589,69.347 149.983,69.347 150.123,69.487 150.679,69.487 151.329,68.837 154.163,68.837 154.6,68.4 156.3,68.4 R9.7@156.4,68.5
DDR1_A0: D2.N3 D4.B11 | length 33.6
  Top Layer w0.125: D2.N3@83.2,69.2 84.4,69.2 v1(84.4,69) ; v1(101.5,70.5) D4.B11@102,71
  Mid_1 w0.125: v1(84.4,69) 84.4,67.837 84.987,67.25 84.987,67.029 85.604,66.413 88.671,66.413 89.996,65.087 101.671,65.087 101.674,65.091 102.718,65.091 102.809,65 105,65 105,69.583 104.583,70 102,70 v1(101.5,70.5)
DDR1_A1: D2.P7 D4.A11 | length 17.9
  Top Layer w0.125: v1(85.6,68.4) D2.P7@86.4,68.4 ; v1(100.25,71) D4.A11@101,71
  Mid_1 w0.125: v1(85.6,68.4) 85.612,68.388 86.25,68.388 86.775,67.863 88.646,67.863 88.771,67.987 88.971,67.787 89.371,67.787 89.571,67.987 93.987,67.987 95,69 98.333,69 100.25,70.917 v1(100.25,71)
DDR1_A2: D2.P3 D4.F9 | length 1.3
  Top Layer w0.125: D2.P3@83.2,68.4 v1(83.6,68) ; v1(105.5,68.5) D4.F9@106,69
DDR1_A3: D2.N2 D4.E10 R8.5 | length 7
  Top Layer w0.125: R8.5@77.5,70.2 79.05,70.2 79.75,69.5 81.25,69.5 81.338,69.588 82.785,69.588 v1(82.797,69.575) 82.797,69.597 82.8,69.6 D2.N2@82.4,69.2 ; v1(104.5,69.5) D4.E10@105,70
  Bottom Layer w0.125: v1(82.797,69.575) 82.797,69.597 v1@82.8,69.6
DDR1_A4: D2.P8 D4.F16 R7.5 | length 7.5
  Top Layer w0.125: v1(86.8,68.8) D2.P8@87.2,68.4 87.612,67.988 87.612,66.304 89.25,64.666 R7.5@89.25,63.05 ; v1(105.5,76.5) D4.F16@106,76
DDR1_A5: D2.P2 D4.E16 R5.8 | length 37.6
  Top Layer w0.125: R5.8@81.6,63 81.5,63.1 81.5,64.525 81.987,65.013 81.987,67.988 D2.P2@82.4,68.4 v1(82.8,68.8) ; v1(90.75,76.75) 91,76.75 91,76 91.013,75.987 91.013,69.513 v1(91,69.5) ; v1(104.5,76.5) D4.E16@105,76
  Mid_1 w0.125: v1(82.8,68.8) 83.587,69.588 84.571,69.588 84.721,69.737 87.937,69.737 88.175,69.5 88.219,69.5 88.232,69.513 90.987,69.513 v1(91,69.5) ; v1(90.75,76.75) 91.416,76.75 91.579,76.587 92.837,76.587 92.913,76.663 93.254,76.663 93.329,76.587 93.671,76.587 93.746,76.663 99.754,76.663 100.354,76.063 104.063,76.063 v1(104.5,76.5)
DDR1_A6: D2.R8 D4.D9 R7.7 | length 25.1
  Top Layer w0.125: D2.R8@87.2,67.6 v1(86.8,67.2) 86.8,66.183 86.787,66.171 86.787,65.463 87.7,64.55 R7.7@87.7,63 ; v1(103.5,68.5) D4.D9@104,69
  Bottom Layer w0.125: v1(86.8,67.2) 87.5,66.5 91.417,66.5 91.829,66.912 92.171,66.912 92.496,66.588 93.083,66 101.583,66 101.913,66.329 101.913,66.413 102.412,66.912 102.913,66.912 103.088,67.087 103.088,68.087 v1(103.5,68.5)
DDR1_A7: D2.R2 D4.C10 R5.7 | length 36.2
  Top Layer w0.125: R5.7@82.4,63 82.4,63.9 82.812,64.312 82.812,66.171 82.8,66.183 v1(82.8,67.2) D2.R2@82.4,67.6 ; v1(102.5,69.5) D4.C10@103,70
  Mid_1 w0.125: v1(82.8,67.2) 84.599,65.401 84.599,64.865 87.214,62.25 98.25,62.25 v1(99.25,63.25)
  Bottom Layer w0.125: v1(99.25,63.25) 100,63.25 100.343,63.593 101.974,63.593 102.067,63.686 102.067,63.709 102.324,63.966 102.686,63.966 102.714,63.938 103.556,63.938 103.938,64.319 103.938,68.646 103.496,69.087 102.913,69.087 v1(102.5,69.5)
DDR1_A8: D2.T8 D4.E12 R7.6 | length 33.2
  Top Layer w0.125: D2.T8@87.2,66.8 v1(87.2,66) 88.5,64.7 R7.6@88.5,63 ; v1(104.5,71.5) D4.E12@105,72
  Mid_1 w0.125: v1(87.2,66) 88.7,64.5 100,64.5 100.5,64 106,64 106,66.281 106.038,66.319 106.038,70.581 105.681,70.937 105.063,70.937 v1(104.5,71.5)
DDR1_A9: D2.R3 D4.D13 R5.5 | length 36.9
  Top Layer w0.125: D2.R3@83.2,67.6 83.213,67.587 83.771,67.587 83.783,67.6 84,67.6 84.397,67.203 v1(84.329,67.203) 84.329,64.579 84,64.25 R5.5@84,63 ; v1(98,63.5) 98.663,64.163 98.663,69.671 98.5,69.833 v1(98.5,72.5) ; v1(103.5,72.5) D4.D13@104,73
  Mid_1 w0.125: v1(84.329,67.203) 84.397,67.203 87.6,64 97.5,64 v1(98,63.5) ; v1(98.5,72.5) 99.917,72.5 100.354,72.937 103.063,72.937 v1(103.5,72.5) ; v1(98,63.5) 98.25,63.5 v1(98,63.5)
DDR1_A10: D2.L7 D4.B7 | length 23.3
  Top Layer w0.125: D2.L7@86.4,70.8 v1(86.8,71.2) ; v1(97.25,73) 97.75,72.5 v1(97.75,66.5) ; v1(101.5,66.5) D4.B7@102,67
  Mid_1 w0.125: v1(86.8,71.2) 87.163,71.563 87.768,71.563 88.368,72.162 96.412,72.162 v1(97.25,73) ; v1(97.75,66.5) 98.238,66.988 101.012,66.988 v1(101.5,66.5)
DDR1_A11: D2.R7 D4.A8 | length 17.7
  Top Layer w0.125: v1(85.4,67.2) 85.2,67.2 85.6,67.6 D2.R7@86.4,67.6 ; v1(100.5,67.425) 100.5,67.5 D4.A8@101,68
  Bottom Layer w0.125: v1(85.4,67.2) 85.812,67.613 92.387,67.613 92.587,67.413 v1@100.488,67.413
DDR1_A12: D2.N7 D4.B6 | length 20
  Top Layer w0.125: v1(85.8,69.2) D2.N7@86.4,69.2 ; v1(101.5,65.5) D4.B6@102,66
  Mid_1 w0.125: v1(85.8,69.2) 85.187,68.587 85.187,68.229 86.629,66.788 91.129,66.788 91.916,66 101,66 v1(101.5,65.5)
DDR1_A13: D2.T3 D4.A6 R5.6 | length 22.6
  Top Layer w0.125: R5.6@83.2,63 83.2,64.4 v1(83.8,65) 84,65.2 84,66.4 83.6,66.8 D2.T3@83.2,66.8 ; v1(100.5,65.5) D4.A6@101,66
  Bottom Layer w0.125: v1(83.8,65) 84.25,65 84.601,64.649 99.649,64.649 v1(100.5,65.5)
DDR1_A14: D2.T7 D4.E11 R7.8 | length 34.2
  Top Layer w0.125: v1(85.75,63) 85.75,64 ; D2.T7@86.4,66.8 86,66.8 85.6,66.4 85.6,65.808 85.813,65.596 85.813,65.254 85.75,65.192 85.75,64 ; R7.8@86.9,63 86.9,63.6 86.5,64 85.75,64 ; v1(104.5,70.5) D4.E11@105,71
  Bottom Layer w0.125: v1(85.75,63) 98.587,63 98.75,62.837 99.421,62.837 99.583,63 105,63 105,64 104.938,64.062 104.938,65.354 104.938,70.062 v1(104.5,70.5)
DDR1_BA0: D2.M2 D4.A10 R8.6 | length 25.4
  Top Layer w0.125: R8.6@77.5,71 79.25,71 79.837,70.413 82.787,70.413 v1(82.8,70.4) D2.M2@82.4,70 ; v1(100,70) D4.A10@101,70
  Mid_1 w0.125: v1@82.812,70.413 87.029,70.413 87.429,70.813 88.988,70.813 v1(89.4,70.4) v1@89.5,70.5
  Bottom Layer w0.125: v1@89.5,70.5 89.912,70.912 97.588,70.912 98.5,70 98.663,69.837 99.837,69.837 v1(100,70)
DDR1_BA1: D2.N8 D4.F15 | length 25.9
  Top Layer w0.125: D2.N8@87.2,69.2 v1(87.6,68.8) ; v1(98,75) 98.087,74.912 98.087,69.663 v1(98.25,69.5) ; v1(105.5,74.5) D4.F15@106,75
  Mid_1 w0.125: v1(87.6,68.8) 88.119,68.8 88.332,68.587 88.946,68.587 89.171,68.813 89.296,68.688 91.104,68.688 91.504,69.087 93.671,69.087 94.083,69.5 v1(98.25,69.5)
  Bottom Layer w0.125: v1(98,75) 100.063,75 100.226,75.162 104.838,75.162 v1(105.5,74.5)
DDR1_BA2: D2.M3 D4.E15 | length 27.1
  Top Layer w0.125: D2.M3@83.2,70 v1(84.4,70) ; v1(90.6,70) 90.663,70.063 90.663,73.937 v1(90.6,74) ; v1(104.5,74.5) D4.E15@105,75
  Mid_1 w0.125: v1@84.387,69.988 v1(84.4,70) 84.413,69.987 87.804,69.987 88.229,70.412 88.804,70.412 89.229,69.988 89.571,69.988 89.583,70 v1(90.6,70)
  Bottom Layer w0.125: v1@90.5,74 104,74 v1(104.5,74.5) ; v1(90.6,74) 91,74
DDR1_CAS: D2.K3 D4.C9 | length 23.8
  Top Layer w0.125: D2.K3@83.2,71.6 84.017,71.6 v1@84.208,71.792 ; v1(102.5,68.5) D4.C9@103,69
  Bottom Layer w0.125: v1(84.208,71.825) 84.208,71.792 86.387,69.613 86.387,68.629 86.654,68.362 88.779,68.362 89.029,68.612 90.804,68.612 91.554,67.863 92.491,67.863 92.516,67.838 100.671,67.838 100.913,67.596 100.913,67.504 101.329,67.087 101.671,67.087 102.063,67.479 102.063,68.063 v1(102.5,68.5)
DDR1_CK_N: D2.K7 D4.M8 | length 40.3
  Top Layer w0.1: v1(85.4,65.425) 85.2,65.625 85.2,66.834 85,67.034 85,67.064 84.937,67.128 84.937,67.273 85,67.336 85,67.366 85.2,67.566 85.2,71.25 85.85,71.9 86.1,71.9 D2.K7@86.4,71.6
  Top Layer w0.125: v2(111.5,67.5) D4.M8@112,68
  Mid_1 w0.1: v1(85.4,65.425) 85.4,65.178 87.503,63.075 98.226,63.075 99.001,63.85 99.499,63.85 100.274,63.075 102.226,63.075 102.251,63.1 102.749,63.1 102.774,63.075 103.226,63.075 103.251,63.1 103.749,63.1 103.774,63.075 104.226,63.075 104.251,63.1 104.749,63.1 104.774,63.075 105.226,63.075 105.251,63.1 105.749,63.1 105.774,63.075 106.226,63.075 106.251,63.1 106.749,63.1 106.774,63.075 107.226,63.075 107.251,63.1 107.666,63.1 107.9,63.334 107.9,63.749 108.251,64.1 108.701,64.1 108.875,64.274 108.875,64.759 109.241,65.125 109.691,65.125 109.875,65.309 109.875,65.759 110.216,66.1 111.251,66.1 111.678,66.1 111.9,66.322 111.9,66.735 111.5,67.135 v2(111.5,67.5)
DDR1_CK_P: D2.J7 D4.M9 | length 42.5
  Top Layer w0.1: v1(85.011,65.036) 85,65.047 85,66.751 84.8,66.951 84.8,66.981 84.737,67.045 84.737,67.355 84.8,67.419 84.8,67.448 85,67.649 85,71.333 85.767,72.1 86.1,72.1 D2.J7@86.4,72.4
  Top Layer w0.125: v2(111.5,68.5) D4.M9@112,69
  Mid_1 w0.1: v1(85.011,65.036) 85.259,65.036 87.42,62.875 98.309,62.875 99.084,63.65 99.416,63.65 100.191,62.875 102.309,62.875 102.334,62.9 102.666,62.9 102.691,62.875 103.309,62.875 103.334,62.9 103.666,62.9 103.691,62.875 104.309,62.875 104.334,62.9 104.666,62.9 104.691,62.875 105.309,62.875 105.334,62.9 105.666,62.9 105.691,62.875 106.309,62.875 106.334,62.9 106.666,62.9 106.691,62.875 107.309,62.875 107.334,62.9 107.666,62.9 107.691,62.875 107.724,62.875 108.1,63.251 108.1,63.666 108.334,63.9 108.784,63.9 109.075,64.191 109.075,64.676 109.324,64.925 109.774,64.925 110.075,65.226 110.075,65.676 110.299,65.9 111.334,65.9 111.761,65.9 112.1,66.239 112.1,66.818 111.9,67.018 111.9,67.666 111.5,68.066 v2(111.5,68.5)
DDR1_CKE: D2.K9 D4.A18 R16.2 | length 0.7
  Top Layer w0.125: v1(100.5,78.5) D4.A18@101,78
DDR1_CS: D2.L2 D4.J15 | length 31
  Top Layer w0.125: D2.L2@82.4,70.8 v1(82.8,71.2) ; v1(108.5,74.5) D4.J15@109,75
  Mid_1 w0.125: v1(82.8,71.2) 84.017,71.2 84.229,71.412 85,71.412 85.625,70.787 86.971,70.787 87.371,71.188 93.729,71.188 93.829,71.087 94.171,71.087 94.996,71.912 97.059,71.912 97.209,72.062 108.938,72.062 108.938,74.062 v1(108.5,74.5)
DDR1_DM0: D2.E7 D4.B14 | length 18.9
  Top Layer w0.125: v1(85.6,75.6) D2.E7@86.4,75.6 ; v1(101.5,73.5) D4.B14@102,74
  Mid_1 w0.125: v1(85.6,75.6) 86.617,75.6 86.629,75.613 87.404,75.613 87.429,75.587 88.504,75.587 88.587,75.671 88.829,75.912 89.484,75.912 89.646,75.75 90,75.75 90.75,75 97.417,75 97.829,75.412 99,75.412 100.5,73.912 101.088,73.912 v1(101.5,73.5)
DDR1_DM1: D2.D3 D4.B19 | length 24.6
  Top Layer w0.125: D2.D3@83.2,76.4 v1(84.4,76.4) ; v1(84.4,81.2) 84.413,81.187 v1@84.413,76.413 ; v1(101.5,79.5) D4.B19@102,79
  Mid_1 w0.125: v1(84.4,81.2) 84.4,81.113 85.5,80.013 100.988,80.013 v1(101.5,79.5)